# Altium PCB AX7021B.PcbDoc (part 3 of 6)
Units mil, origin at the board's own origin, x right, y up, seen from the top; angles counter-clockwise.
Board outline 5906.91 x 4331.71 mil, 4 copper layers (TOP, SGND, SVCC, BOTTOM), stack 63 mil thick; 463 components, 582 nets, 2114 pads, 861 vias.
Unrouted connection lines stored in the file: 129.
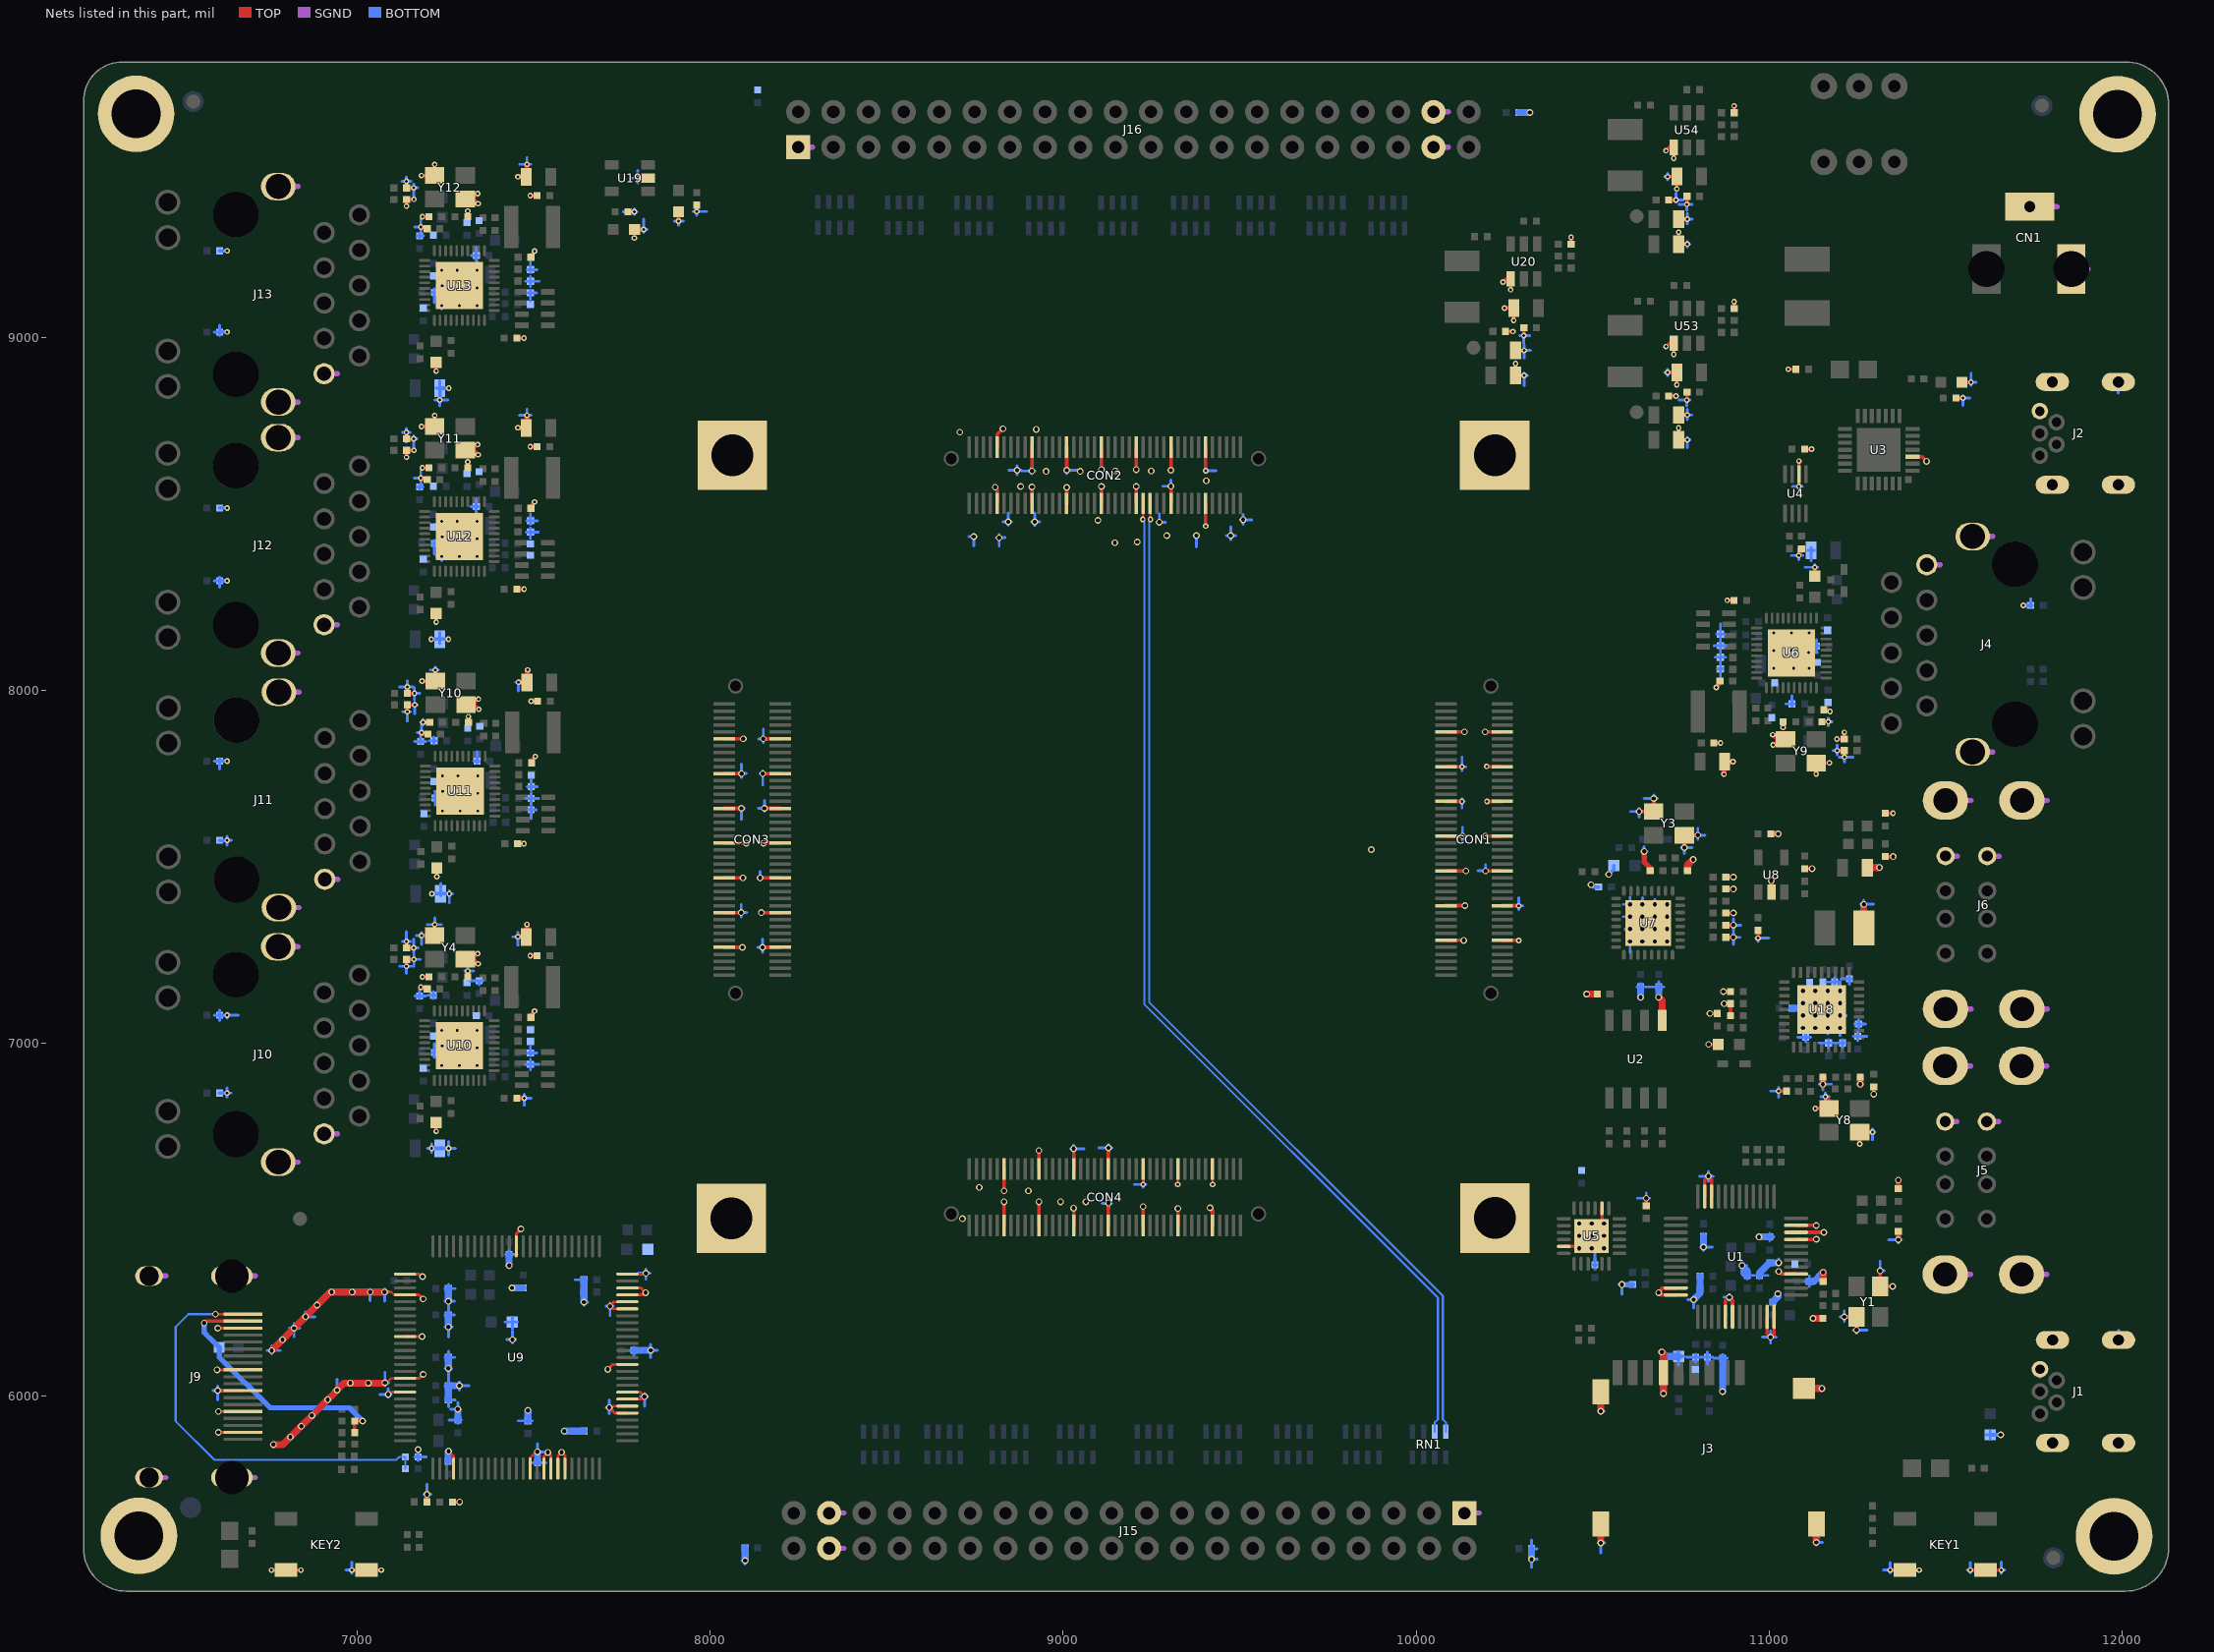
[diagram p5: the nets of this part, all layers, seen from the top]

## Via types
v1: diameter 16, hole 8, TOP to BOTTOM, 459 vias
v2: diameter 19, hole 12, TOP to BOTTOM, 320 vias
v3: diameter 19.69, hole 11.81, TOP to BOTTOM, 82 vias

## Nets (pads, with @x,y where several pads share a name; then routed paths per layer and width w, separated by ;. In a path a pad name is that pad's centre, name@x,y a point inside that pad or via, vN(x,y) a via of type N, cw(c..) or ccw(c..) an arc to the next point about the centre after c; other vN are vias at no path point) (continued)
GND: (continued)
  BOTTOM w8: H1.1@6367.74,9632.85 H1.1@6374.04,9632.85 ; H1.1@6374.04,9626.55 H1.1@6374.04,9632.85 ; H1.1@6374.04,9639.44 H1.1@6374.04,9632.85 ; J9.22@6389.31,5770.28 J9.22@6411.08,5770.28 ; H1.1@6407.04,9632.85 H1.1@6374.04,9632.85 ; J9.22@6411.08,5756.29 J9.22@6411.08,5770.28 ; J9.22@6411.08,5788.11 J9.22@6411.08,5770.28 ; J9.22@6425.07,5770.28 J9.22@6411.08,5770.28 ; 6591.94,6016.34 v2(6605.18,6016.34) ; 6595.56,7079.69 R1052.2@6610.55,7079.69 ; 6595.56,7799.8 R1069.2@6610.55,7799.8 ; 6595.56,8310.23 R1086.2@6610.55,8310.23 ; 6595.56,9015.02 R1104.2@6610.55,9015.02 ; 6605.18,5989.99 v2(6605.18,6016.34) ; 6605.18,6029.58 v2(6605.18,6016.34) ; 6610.55,7064.5 R1052.2@6610.55,7079.69 ; 6610.55,7093.36 R1052.2@6610.55,7079.69 ; 6610.55,7777.26 R1069.2@6610.55,7799.8 ; R1069.2@6610.55,7806.12 R1069.2@6610.55,7799.8 ; 6610.55,8292.04 R1086.2@6610.55,8310.23 ; 6610.55,8320.9 R1086.2@6610.55,8310.23 ; 6610.55,9004.8 R1104.2@6610.55,9015.02 ; 6610.55,9033.66 R1104.2@6610.55,9015.02 ; 6618.43,6016.34 v2(6605.18,6016.34) ; J9.20@6626.9,5770.28 J9.20@6645.73,5770.28 ; 6631.97,6848.33 v1(6631.97,6859.35) ; 6631.97,6873.96 v1(6631.97,6859.35) ; v1@6631.97,7071.94 v1(6631.97,7079.69) ; v1@6631.97,7085.92 v1(6631.97,7079.69) ; 6631.97,7561.1 v1(6631.97,7575.14) ; 6631.97,7586.72 v1(6631.97,7575.14) ; 6642.99,6859.35 v1(6631.97,6859.35) ; 6643.55,7575.14 v1(6631.97,7575.14) ; J9.20@6645.73,5753.35 J9.20@6645.73,5770.28 ; J9.20@6645.73,5791.05 J9.20@6645.73,5770.28 ; J9.20@6662.66,5770.28 J9.20@6645.73,5770.28 ; 6663.82,7079.69 v1(6631.97,7079.69) ; 6745.05,6129.85 v2(6758.04,6129.85) ; v2@6758.04,6120.86 v2(6758.04,6129.85) ; 6758.04,6142.84 v2(6758.04,6129.85) ; J10.16@6764.15,6663.73 J10.16@6776.62,6663.73 ; J12.15@6769.85,8715.97 J12.15@6776.61,8715.97 ; J11.16@6772.4,7384.74 J11.16@6778.61,7384.74 ; J10.16@6776.62,6650.11 J10.16@6776.62,6663.73 ; J10.16@6776.62,6676.2 J10.16@6776.62,6663.73 ; J12.15@6776.61,8709.21 J12.15@6776.61,8715.97 ; J12.15@6776.61,8735.28 J12.15@6776.61,8715.97 ; J11.16@6778.61,7360.88 J11.16@6778.61,7384.74 ; J11.16@6778.61,7390.95 J11.16@6778.61,7384.74 ; 6782.1,6129.85 v2(6758.04,6129.85) ; J11.16@6794.35,7384.74 J11.16@6778.61,7384.74 ; J12.15@6796.9,8715.97 J12.15@6776.61,8715.97 ; J10.16@6802.6,6663.73 J10.16@6776.62,6663.73 ; 6808.54,6193.34 v2(6821.53,6193.34) ; 6821.53,6169.62 v2(6821.53,6193.34) ; 6821.53,6206.33 v2(6821.53,6193.34) ; 6837.41,6193.34 v2(6821.53,6193.34) ; 6844.51,6225.84 v2(6854.03,6225.84) ; 6854.03,6216.32 v2(6854.03,6225.84) ; 6854.03,6238.83 v2(6854.03,6225.84) ; 6880.63,6225.84 v2(6854.03,6225.84) ; J10.P10@6883.87,6743.85 J10.P10@6906.54,6743.85 ; J10.P10@6906.54,6726.92 J10.P10@6906.54,6743.85 ; J10.P10@6906.54,6757.78 J10.P10@6906.54,6743.85 ; J10.P10@6920.47,6743.85 J10.P10@6906.54,6743.85 ; v2@6933.7,6017.85 v2(6943.04,6017.85) ; v2@6943.04,6011.06 v2(6943.04,6017.85) ; 6943.04,6048.11 v2(6943.04,6017.85) ; v2@6949.83,6017.85 v2(6943.04,6017.85) ; 6968.33,5508.05 v1(6984.85,5508.05) ; 6984.85,5498.5 v1(6984.85,5508.05) ; 6984.85,5531.12 v1(6984.85,5508.05) ; 6994.4,5508.05 v1(6984.85,5508.05) ; v2@7029.61,6295.62 v2(7037.04,6295.62) ; 7037.04,6270.9 v2(7037.04,6295.62) ; v2@7037.04,6303.05 v2(7037.04,6295.62) ; 7051.91,6295.62 v2(7037.04,6295.62) ; 7064.5,6005.85 v2(7088.04,6005.85) ; v2@7069.21,6295.62 v2(7078.04,6295.62) ; v2@7071.09,6038.85 v2(7079.04,6038.85) ; 7078.04,6269.49 v2(7078.04,6295.62) ; v2@7078.04,6304.45 v2(7078.04,6295.62) ; v2@7079.04,6030.9 v2(7079.04,6038.85) ; 7079.04,6067.86 v2(7079.04,6038.85) ; v2@7088.04,5997.67 v2(7088.04,6005.85) ; 7088.04,6021.9 v2(7088.04,6005.85) ; 7089.62,6038.85 v2(7079.04,6038.85) ; 7091.51,6295.62 v2(7078.04,6295.62) ; v2@7096.22,6005.85 v2(7088.04,6005.85) ; 7120.14,8009.67 v1(7142.06,8009.67) ; 7120.91,7218.48 v1(7140.07,7218.48) ; 7126.62,9441.67 v1(7140.06,9441.67) ; 7128.02,7288.66 v1(7140.07,7288.66) ; 7128.38,8730.67 v1(7140.06,8730.67) ; 7129.16,7939.49 v1(7142.06,7939.49) ; 7140.07,7198.04 v1(7140.07,7218.48) ; 7140.07,7237.01 v1(7140.07,7218.48) ; 7140.07,7277.23 v1(7140.07,7288.66) ; 7140.07,7316.21 v1(7140.07,7288.66) ; 7140.06,8702.75 v1(7140.06,8730.67) ; 7140.06,8741.74 v1(7140.06,8730.67) ; 7140.06,9415.52 v1(7140.06,9441.67) ; 7140.06,9454.51 v1(7140.06,9441.67) ; 7140.2,7237.77 v1(7161.04,7237.77) ; 7141.36,7991.29 v1(7162.51,7991.29) ; 7142.06,7912.79 v1(7142.06,7939.49) ; 7142.06,7947.78 v1(7142.06,7939.49) ; 7142.06,7991.99 v1(7142.06,8009.67) ; 7142.06,8026.98 v1(7142.06,8009.67) ; 7146.4,7270.28 v1(7160.52,7270.28) ; 7147.83,9423.29 v1(7160.51,9423.29) ; 7148.45,7958.78 v1(7163.03,7958.78) ; 7149.6,8712.29 v1(7160.51,8712.29) ; 7150.35,7939.49 v1(7142.06,7939.49) ; 7151.13,8730.67 v1(7140.06,8730.67) ; 7151.5,7288.66 v1(7140.07,7288.66) ; 7152.9,9441.67 v1(7140.06,9441.67) ; 7158.6,7218.48 v1(7140.07,7218.48) ; 7159.37,8009.67 v1(7142.06,8009.67) ; 7160.52,7258.09 v1(7160.52,7270.28) ; 7160.52,7295.76 v1(7160.52,7270.28) ; v1@7160.51,8683.6 v1(7160.51,8712.29) ; 7160.51,8721.29 v1(7160.51,8712.29) ; v1@7160.51,9396.37 v1(7160.51,9423.29) ; 7160.51,9434.06 v1(7160.51,9423.29) ; 7161.04,7219.01 v1(7161.04,7237.77) ; 7161.04,7255.64 v1(7161.04,7237.77) ; 7161.63,8601.38 v1(7180.72,8601.38) ; 7162.51,7972.84 v1(7162.51,7991.29) ; 7162.51,8006.53 v1(7162.51,7991.29) ; R52.2@7162.83,5828.32 R52.2@7172.8,5828.32 ; 7163.03,7933.76 v1(7163.03,7958.78) ; v1@7163.03,7966.41 v1(7163.03,7958.78) ; 7163.39,9312.38 v1(7180.72,9312.38) ; 7163.48,7855.01 C1522.2@7179.52,7855.01 ; 7163.88,7134 C1499.2@7177.53,7134 ; 7168.06,7305.22 v1(7182.29,7305.22) ; 7169.51,8712.29 v1(7160.51,8712.29) ; 7169.86,7880.38 v1(7182.72,7880.38) ; C1556.2@7169.95,9287.01 C1556.2@7177.52,9287.01 ; v1@7170.66,7958.78 v1(7163.03,7958.78) ; 7171.28,9423.29 v1(7160.51,9423.29) ; C1539.2@7171.71,8576.01 C1539.2@7177.52,8576.01 ; 7172.71,7270.28 v1(7160.52,7270.28) ; R52.2@7172.8,5818.35 R52.2@7172.8,5828.32 ; C1539.2@7177.52,8569 C1539.2@7177.52,8576.01 ; C1539.2@7177.52,8581.82 C1539.2@7177.52,8576.01 ; C1556.2@7177.52,9280 C1556.2@7177.52,9287.01 ; C1556.2@7177.52,9294.58 C1556.2@7177.52,9287.01 ; C1499.2@7177.53,7126.98 C1499.2@7177.53,7134 ; v1@7177.53,7156.3 C1499.2@7177.53,7134 ; 7177.75,7991.29 v1(7162.51,7991.29) ; 7178.91,7237.77 v1(7161.04,7237.77) ; C1522.2@7179.52,7848 C1522.2@7179.52,7855.01 ; 7179.52,7870.72 C1522.2@7179.52,7855.01 ; v1@7180.38,7909.46 v1(7187.06,7909.46) ; C1539.2@7180.72,8585.02 v1(7180.72,8601.38) ; 7180.72,8621.89 v1(7180.72,8601.38) ; 7180.72,9297.78 v1(7180.72,9312.38) ; 7180.72,9334.65 v1(7180.72,9312.38) ; 7182.29,7279.86 v1(7182.29,7305.22) ; 7182.29,7313.58 v1(7182.29,7305.22) ; v1@7182.72,7874.25 v1(7182.72,7880.38) ; v1@7182.72,7907.12 v1(7182.72,7880.38) ; C1539.2@7187,8576.01 C1539.2@7177.52,8576.01 ; v1@7187.06,7902.78 v1(7187.06,7909.46) ; 7187.06,7918.2 v1(7187.06,7909.46) ; 7188.76,9287.01 C1556.2@7177.52,9287.01 ; v1@7188.85,7880.38 v1(7182.72,7880.38) ; v2@7189.53,5722.42 v2(7198.13,5722.42) ; 7190.65,7305.22 v1(7182.29,7305.22) ; 7194.82,7134 C1499.2@7177.53,7134 ; 7195.23,7855.01 C1522.2@7179.52,7855.01 ; 7195.32,9312.38 v1(7180.72,9312.38) ; 7195.88,5828.32 R52.2@7172.8,5828.32 ; 7197.08,8601.38 v1(7180.72,8601.38) ; v2@7198.13,5713.82 v2(7198.13,5722.42) ; 7198.13,5751.38 v2(7198.13,5722.42) ; 7199.25,6702.85 v1(7211.16,6702.85) ; 7199.47,7336.63 v1(7219.82,7336.63) ; 7201.26,7136.22 C1495.2@7216.02,7136.22 ; 7205.29,7857.23 C1517.2@7218.01,7857.23 ; 7207.71,8057.64 v1(7221.81,8057.64) ; 7207.78,7909.46 v1(7187.06,7909.46) ; 7208.77,5722.42 v2(7198.13,5722.42) ; 7211.16,6690.74 v1(7211.16,6702.85) ; 7211.16,6714.76 v1(7211.16,6702.85) ; C1497.2@7211.96,6974.2 C1497.2@7218.83,6974.2 ; C1537.2@7211.94,8416.21 C1537.2@7218.82,8416.21 ; C1551.2@7211.94,9127.21 C1551.2@7218.82,9127.21 ; C1520.2@7213.94,7695.21 C1520.2@7220.82,7695.21 ; C1495.2@7216.02,7126.98 C1495.2@7216.02,7136.22 ; 7216.02,7147.12 C1495.2@7216.02,7136.22 ; C1517.2@7218.01,7848 C1517.2@7218.01,7857.23 ; 7218.01,7868.14 C1517.2@7218.01,7857.23 ; 7218.82,8385.79 C1537.2@7218.82,8416.21 ; C1537.2@7218.82,8425.13 C1537.2@7218.82,8416.21 ; 7218.82,9098.56 C1551.2@7218.82,9127.21 ; 7218.82,9137.89 C1551.2@7218.82,9127.21 ; 7218.83,6960.26 C1497.2@7218.83,6974.2 ; 7218.83,6999.61 C1497.2@7218.83,6974.2 ; 7219.82,7317.39 v1(7219.82,7336.63) ; 7219.82,7355.25 v1(7219.82,7336.63) ; 7220.5,7714.05 v1(7243.06,7714.05) ; 7220.51,8822.8 v1(7234.47,8822.8) ; 7220.82,7674.77 C1520.2@7220.82,7695.21 ; 7220.82,7710.63 C1520.2@7220.82,7695.21 ; 7221.81,8032.14 v1(7221.81,8057.64) ; 7221.81,8066.02 v1(7221.81,8057.64) ; C1495.2@7223.02,7136.22 C1495.2@7216.02,7136.22 ; C1555.2@7223.93,8855.86 C1555.2@7234.47,8855.86 C1555.2@7234.47,8876.36 ; C1517.2@7225.02,7857.23 C1517.2@7218.01,7857.23 ; 7225.38,8379.24 v1(7240.02,8379.24) ; 7225.65,6993.04 v1(7241.07,6993.04) ; 7226.98,9146.05 v1(7241.06,9146.05) ; 7227.14,9090.24 v1(7240.02,9090.24) ; C1537.2@7228,8416.21 C1537.2@7218.82,8416.21 ; 7228.74,8435.05 v1(7241.06,8435.05) ; 7229.77,9127.21 C1551.2@7218.82,9127.21 ; 7230.19,8057.64 v1(7221.81,8057.64) ; 7233.01,6974.2 C1497.2@7218.83,6974.2 ; C1538.2@7234.47,8132.56 C1538.2@7234.47,8144.86 C1538.2@7234.47,8163.59 ; 7234.47,8805.72 v1(7234.47,8822.8) ; 7236.24,7695.21 C1520.2@7220.82,7695.21 ; C1521.2@7236.47,7417.8 C1521.2@7236.47,7423.86 7236.47,7452.83 ; 7238.44,7336.63 v1(7219.82,7336.63) ; 7240.02,8367.14 v1(7240.02,8379.24) ; 7240.02,8404.19 v1(7240.02,8379.24) ; 7240.02,9079.9 v1(7240.02,9090.24) ; 7240.02,9116.96 v1(7240.02,9090.24) ; 7241.07,6982.26 v1(7241.07,6993.04) ; 7241.07,7017.22 v1(7241.07,6993.04) ; 7241.06,8407.77 v1(7241.06,8435.05) ; v1@7241.06,8442.75 v1(7241.06,8435.05) ; 7241.06,9120.54 v1(7241.06,9146.05) ; 7241.06,9155.52 v1(7241.06,9146.05) ; 7243.06,7697.01 v1(7243.06,7714.05) ; 7243.06,7727.99 v1(7243.06,7714.05) ; v1@7248.76,8435.05 v1(7241.06,8435.05) ; C78.2@7248.82,6030.46 C78.2@7258.8,6030.46 7258.8,6049.13 ; C80.2@7248.82,6110.46 C80.2@7258.8,6110.46 ; 7248.82,6196.96 v2(7258.8,6196.96) ; C77.2@7248.82,6230.46 C77.2@7258.8,6230.46 ; 7248.82,6269.46 v2(7258.8,6269.46) ; C79.2@7248.82,6305.46 C79.2@7258.8,6305.46 ; 7249.03,6079.46 v2(7258.8,6079.46) ; 7250.36,9090.24 v1(7240.02,9090.24) ; 7250.53,9146.05 v1(7241.06,9146.05) ; C76.1@7251.82,5990.46 C76.1@7258.8,5990.46 ; 7251.85,6993.04 v1(7241.07,6993.04) ; 7252.12,8379.24 v1(7240.02,8379.24) ; 7257,7714.05 v1(7243.06,7714.05) ; 7256.99,8822.8 v1(7234.47,8822.8) ; 7258.8,5970.44 C76.1@7258.8,5990.46 ; 7258.8,6049.63 v2(7258.8,6079.46) ; 7258.8,6128.33 C80.2@7258.8,6110.46 ; 7258.8,6168.43 v2(7258.8,6196.96) ; 7258.8,6247.12 C77.2@7258.8,6230.46 ; 7258.8,6247.62 v2(7258.8,6269.46) ; 7258.8,6317.34 C79.2@7258.8,6305.46 ; 7259.22,6683.62 v1(7259.22,6702.85) ; 7259.22,6721.88 v1(7259.22,6702.85) ; 7260.76,9140.24 v1(7290.02,9140.24) ; 7260.92,5932.96 C73.2@7285.3,5932.96 ; 7260.95,7036.93 v1(7283.76,7036.93) ; 7261.23,7398.39 v1(7261.23,7423.86) ; 7261.23,7432.63 v1(7261.23,7423.86) ; 7264.39,7757.94 v1(7285.75,7757.94) ; 7264.78,5963.96 v2(7285.3,5963.96) ; v2@7268.07,6079.46 v2(7258.8,6079.46) ; 7269.37,6196.96 v2(7258.8,6196.96) ; 7270,7423.86 v1(7261.23,7423.86) ; 7275.46,6230.46 C77.2@7258.8,6230.46 ; 7276.06,6269.46 v2(7258.8,6269.46) ; 7276.67,6110.46 C80.2@7258.8,6110.46 ; 7277.04,6305.46 C79.2@7258.8,6305.46 ; 7277.88,5990.46 C76.1@7258.8,5990.46 ; 7278.25,6702.85 v1(7259.22,6702.85) ; 7283.76,7024.95 v1(7283.76,7036.93) ; 7283.76,7053.72 v1(7283.76,7036.93) ; C73.2@7285.3,5922.98 C73.2@7285.3,5932.96 ; 7285.3,5983.04 v2(7285.3,5963.96) ; 7285.75,7739.7 v1(7285.75,7757.94) ; v1@7285.75,7764.49 v1(7285.75,7757.94) ; 7289.8,6018.13 v2(7289.8,6030.46) ; 7289.8,6041.04 v2(7289.8,6030.46) ; 7290.02,9129.9 v1(7290.02,9140.24) ; v1@7290.02,9146.15 v1(7290.02,9140.24) ; v2@7291.92,5963.96 v2(7285.3,5963.96) ; v1@7292.3,7757.94 v1(7285.75,7757.94) ; C1501.2@7295.74,7036.93 v1(7283.76,7036.93) ; 7295.78,5932.96 C73.2@7285.3,5932.96 ; v1@7295.93,9140.24 v1(7290.02,9140.24) ; C1559.2@7298.33,9177.81 C1559.2@7307.58,9177.81 ; C1541.2@7300.1,8466.81 C1541.2@7307.58,8466.81 ; 7305.22,7204.8 v1(7313.41,7204.8) ; C1541.2@7307.58,8455.43 C1541.2@7307.58,8466.81 ; C1541.2@7307.58,8474.29 C1541.2@7307.58,8466.81 ; C1559.2@7307.58,9168.19 C1559.2@7307.58,9177.81 ; C1559.2@7307.58,9187.06 C1559.2@7307.58,9177.81 ; 7313.41,7182.46 v1(7313.41,7204.8) ; 7313.41,7212.99 v1(7313.41,7204.8) ; 7317.07,6030.46 v2(7289.8,6030.46) ; R1047.2@7318.69,7177.18 R1046.2@7345.76,7177.18 ; 7321.83,8520.37 C1542.2@7337.67,8520.37 ; 7323.37,8479.24 v1(7340.02,8479.24) ; 7323.6,9231.37 C1558.2@7337.67,9231.37 ; 7325.13,9190.24 v1(7340.02,9190.24) ; 7325.24,6987.23 v1(7340.03,6987.23) ; C1525.2@7330.07,7799.37 C1525.2@7339.67,7799.37 ; 7330.67,7204.8 v1(7313.41,7204.8) ; 7335.8,8466.81 C1541.2@7307.58,8466.81 ; 7337.56,9177.81 C1559.2@7307.58,9177.81 ; 7337.67,8504.53 C1542.2@7337.67,8520.37 ; 7337.67,8543.98 C1542.2@7337.67,8520.37 ; 7337.67,9217.3 C1558.2@7337.67,9231.37 ; 7337.67,9256.74 C1558.2@7337.67,9231.37 ; C1525.2@7339.67,7793.62 C1525.2@7339.67,7799.37 ; 7339.67,7826.79 C1525.2@7339.67,7799.37 ; 7340.02,8467.14 v1(7340.02,8479.24) ; 7340.02,8502.18 v1(7340.02,8479.24) ; 7340.02,9179.9 v1(7340.02,9190.24) ; 7340.02,9214.95 v1(7340.02,9190.24) ; 7340.03,6962.42 v1(7340.03,6987.23) ; 7340.03,6997.45 v1(7340.03,6987.23) ; v1@7344.56,8479.24 v1(7340.02,8479.24) ; C1542.2@7344.56,8520.37 C1542.2@7337.67,8520.37 ; v1@7344.56,9190.24 v1(7340.02,9190.24) ; C1558.2@7344.56,9231.37 C1558.2@7337.67,9231.37 ; v1@7344.58,6987.23 v1(7340.03,6987.23) ; C1525.2@7345.42,7799.37 C1525.2@7339.67,7799.37 ; 7345.76,7166.14 R1046.2@7345.76,7177.18 ; 7356.8,7177.18 R1046.2@7345.76,7177.18 ; 7419.74,6210.57 C81.2@7439.7,6210.57 ; 7420.25,6402.46 C75.2@7430.8,6402.46 ; 7424.27,6160.85 v2(7440.04,6160.85) ; C75.2@7430.8,6412.44 C75.2@7430.8,6402.46 ; 7439.7,6190.94 C81.2@7439.7,6210.57 ; C81.2@7439.7,6224.62 C81.2@7439.7,6210.57 ; v2@7440.04,6151.68 v2(7440.04,6160.85) ; 7440.04,6184.68 v2(7440.04,6160.85) ; 7441.82,7301.8 v1(7455.32,7301.8) ; v2@7449.21,6160.85 v2(7440.04,6160.85) ; v1@7450.07,8022.81 v1(7457.31,8022.81) ; 7453.23,6402.46 C75.2@7430.8,6402.46 ; C81.2@7453.75,6210.57 C81.2@7439.7,6210.57 ; 7455.32,7278.14 v1(7455.32,7301.8) ; 7455.32,7315.3 v1(7455.32,7301.8) ; 7456.91,5930.96 C71.2@7483.8,5930.96 ; 7457.31,7999 v1(7457.31,8022.81) ; v1@7457.31,8028.51 v1(7457.31,8022.81) ; 7459.26,8778.92 v1(7481.09,8778.92) ; 7459.9,6844.7 v1(7473.33,6844.7) ; 7461.03,9489.92 v1(7481.09,9489.92) ; v1@7463.01,8022.81 v1(7457.31,8022.81) ; 7471.26,7301.8 v1(7455.32,7301.8) ; 7473.33,6824.55 v1(7473.33,6844.7) ; 7473.33,6855.46 v1(7473.33,6844.7) ; 7476.43,6940.43 R1053.1@7490.88,6940.43 ; 7477.23,9158.72 R1112.1@7490.87,9158.72 ; 7477.88,7694.08 R1071.1@7492.87,7694.08 ; 7479,8447.72 R1094.1@7490.87,8447.72 ; 7480.64,8480.36 R1093.1@7490.87,8480.36 ; 7481.09,8766.6 v1(7481.09,8778.92) ; 7481.09,8796.69 v1(7481.09,8778.92) ; 7481.09,9479.36 v1(7481.09,9489.92) ; 7481.09,9509.46 v1(7481.09,9489.92) ; 7481.92,7726.72 R1076.1@7492.87,7726.72 ; R1111.1@7482.4,9191.36 R1111.1@7490.87,9191.36 ; R1054.1@7483.21,6973.07 R1054.1@7490.88,6973.07 ; C71.2@7483.8,5922.98 C71.2@7483.8,5930.96 ; R1106.1@7484.19,9126.08 R1106.1@7490.87,9126.08 ; R1070.1@7484.68,7661.44 R1070.1@7492.87,7661.44 ; 7490.87,8430.53 R1094.1@7490.87,8447.72 ; 7490.87,8459.59 R1094.1@7490.87,8447.72 ; 7490.87,8470.13 R1093.1@7490.87,8480.36 ; 7490.87,8499.19 R1093.1@7490.87,8480.36 ; 7490.87,9103.7 R1106.1@7490.87,9126.08 ; R1106.1@7490.87,9132.76 R1106.1@7490.87,9126.08 ; 7490.87,9143.29 R1112.1@7490.87,9158.72 ; 7490.87,9172.36 R1112.1@7490.87,9158.72 ; R1111.1@7490.87,9182.89 R1111.1@7490.87,9191.36 ; 7490.87,9211.95 R1111.1@7490.87,9191.36 ; 7490.88,6925.8 R1053.1@7490.88,6940.43 ; 7490.88,6954.88 R1053.1@7490.88,6940.43 ; R1054.1@7490.88,6965.4 R1054.1@7490.88,6973.07 ; 7490.88,6994.48 R1054.1@7490.88,6973.07 ; 7491.65,9489.92 v1(7481.09,9489.92) ; 7492.78,6844.7 v1(7473.33,6844.7) ; 7492.87,7636.57 R1070.1@7492.87,7661.44 ; R1070.1@7492.87,7669.63 R1070.1@7492.87,7661.44 ; 7492.87,7676.17 R1071.1@7492.87,7694.08 ; 7492.87,7709.23 R1071.1@7492.87,7694.08 ; 7492.87,7715.77 R1076.1@7492.87,7726.72 ; 7492.87,7748.83 R1076.1@7492.87,7726.72 ; 7493.41,8778.92 v1(7481.09,8778.92) ; 7495.77,5930.96 C71.2@7483.8,5930.96 ; 7496.8,5812.46 C68.2@7510.8,5812.46 ; 7507.6,7661.44 R1070.1@7492.87,7661.44 ; 7508.08,9126.08 R1106.1@7490.87,9126.08 ; 7509.07,6973.07 R1054.1@7490.88,6973.07 ; 7509.87,9191.36 R1111.1@7490.87,9191.36 ; 7510.36,7726.72 R1076.1@7492.87,7726.72 ; C68.2@7510.8,5805.86 C68.2@7510.8,5812.46 ; 7510.8,5866.06 v2(7510.8,5842.96) 7527.3,5842.96 ; 7511.64,8480.36 R1093.1@7490.87,8480.36 ; 7513.28,8447.72 R1094.1@7490.87,8447.72 ; 7514.56,7694.08 R1071.1@7492.87,7694.08 ; 7515.04,9158.72 R1112.1@7490.87,9158.72 ; 7515.85,6940.43 R1053.1@7490.88,6940.43 ; 7535.07,5812.46 C68.2@7510.8,5812.46 ; 7618.82,6330.46 C69.2@7642.8,6330.46 ; v2@7634.94,6266.96 v2(7642.8,6266.96) ; v2@7642.8,6259.1 v2(7642.8,6266.96) ; C69.2@7642.8,6338.3 C69.2@7642.8,6330.46 ; C69.2@7650.64,6330.46 C69.2@7642.8,6330.46 ; 7653.28,6266.96 v2(7642.8,6266.96) ; v2@7705.31,5968.46 v2(7714.3,5968.46) ; 7705.32,6255.46 v2(7716.3,6255.46) ; 7714.3,5950.76 v2(7714.3,5968.46) ; 7714.3,5989.61 v2(7714.3,5968.46) ; 7716.3,6229.95 v2(7716.3,6255.46) ; v2@7716.3,6264.8 v2(7716.3,6255.46) ; v2@7721.78,5968.46 v2(7714.3,5968.46) ; v2@7725.64,6255.46 v2(7716.3,6255.46) ; 7753.89,9355.45 v1(7785.3,9355.45) ; C66.2@7775.2,6130.46 C66.2@7783.8,6130.46 ; 7777.21,9450.92 v1(7795.21,9450.92) ; 7783.8,6118.11 C66.2@7783.8,6130.46 ; C66.2@7783.8,6139.06 C66.2@7783.8,6130.46 ; v1@7785.3,9347.99 v1(7785.3,9355.45) ; 7785.3,9363.64 v1(7785.3,9355.45) ; v1@7792.76,9355.45 v1(7785.3,9355.45) ; 7795.21,9437.1 v1(7795.21,9450.92) ; 7795.21,9472.52 v1(7795.21,9450.92) ; 7795.6,6348.85 v2(7818.04,6348.85) ; 7802.6,5999.46 v2(7814.3,5999.46) ; 7803.89,9305.45 v1(7811.9,9305.45) ; 7809.03,9450.92 v1(7795.21,9450.92) ; 7811.9,9297.44 v1(7811.9,9305.45) ; 7811.9,9335 v1(7811.9,9305.45) ; 7814.3,5971.57 v2(7814.3,5999.46) ; v2@7814.3,6008.41 v2(7814.3,5999.46) ; 7818.04,6331.69 v2(7818.04,6348.85) ; 7818.04,6361.05 v2(7818.04,6348.85) ; 7821.95,9305.45 v1(7811.9,9305.45) ; v2@7823.25,5999.46 v2(7814.3,5999.46) ; 7830.24,6348.85 v2(7818.04,6348.85) ; 7831.8,6109.7 v2(7831.8,6130.46) ; 7831.8,6147.46 v2(7831.8,6130.46) ; 7850.64,6130.46 v2(7831.8,6130.46) ; 7898.76,9329.37 v1(7910.72,9329.37) ; 7910.72,9317.41 v1(7910.72,9329.37) ; 7910.72,9354.62 v1(7910.72,9329.37) ; 7925.07,9329.37 v1(7910.72,9329.37) ; 7951.99,9356.29 v1(7961.81,9356.29) ; 7961.81,9345.52 v1(7961.81,9356.29) ; 7961.81,9366.11 v1(7961.81,9356.29) ; 7990.64,9356.29 v1(7961.81,9356.29) ; HOLE2.1@8030.75,6504.72 HOLE2.1@8060.5,6504.72 ; HOLE1.1@8053.88,8666.22 HOLE1.1@8062.7,8666.22 ; HOLE2.1@8060.5,6494.95 HOLE2.1@8060.5,6504.72 ; HOLE2.1@8060.5,6514.57 HOLE2.1@8060.5,6504.72 ; HOLE1.1@8062.7,8650.66 HOLE1.1@8062.7,8666.22 ; HOLE1.1@8062.7,8675.04 HOLE1.1@8062.7,8666.22 ; HOLE2.1@8070.27,6504.72 HOLE2.1@8060.5,6504.72 ; 8075.69,7370.53 v2(8088.19,7370.53) ; 8077.97,7764.23 v2(8089.19,7764.23) ; v2@8083.01,7665.8 v2(8088.92,7665.8) ; HOLE1.1@8086.74,8666.22 HOLE1.1@8062.7,8666.22 ; 8088.19,7358.03 v2(8088.19,7370.53) ; 8088.19,7393.8 v2(8088.19,7370.53) ; 8088.92,7634.49 v2(8088.92,7665.8) ; v2@8088.92,7671.71 v2(8088.92,7665.8) ; 8089.19,7753.01 v2(8089.19,7764.23) ; 8089.19,7790.78 v2(8089.19,7764.23) ; v2@8090.35,5534.85 v2(8099.04,5534.85) ; v2@8097.21,7665.8 v2(8088.92,7665.8) ; v2@8099.04,5525.68 v2(8099.04,5534.85) ; 8102.24,7764.23 v2(8089.19,7764.23) ; 8104.52,7370.53 v2(8088.19,7370.53) ; v2@8106.02,5534.85 v2(8099.04,5534.85) ; 8134.53,7272.1 v2(8148.62,7272.1) ; v2@8135.67,7468.95 v2(8141.77,7468.95) ; 8136.81,7665.8 v2(8153.76,7665.8) ; 8137.95,7862.65 v2(8150.61,7862.65) ; v2@8141.77,7462.85 v2(8141.77,7468.95) ; 8141.77,7486.98 v2(8141.77,7468.95) ; v2@8141.84,7764.23 v2(8149.49,7764.23) ; 8148.62,7258.01 v2(8148.62,7272.1) ; 8148.62,7295.84 